# Altium PCB SVPXFMC_Carrier_6U.PcbDoc (part 2 of 3) (continued)
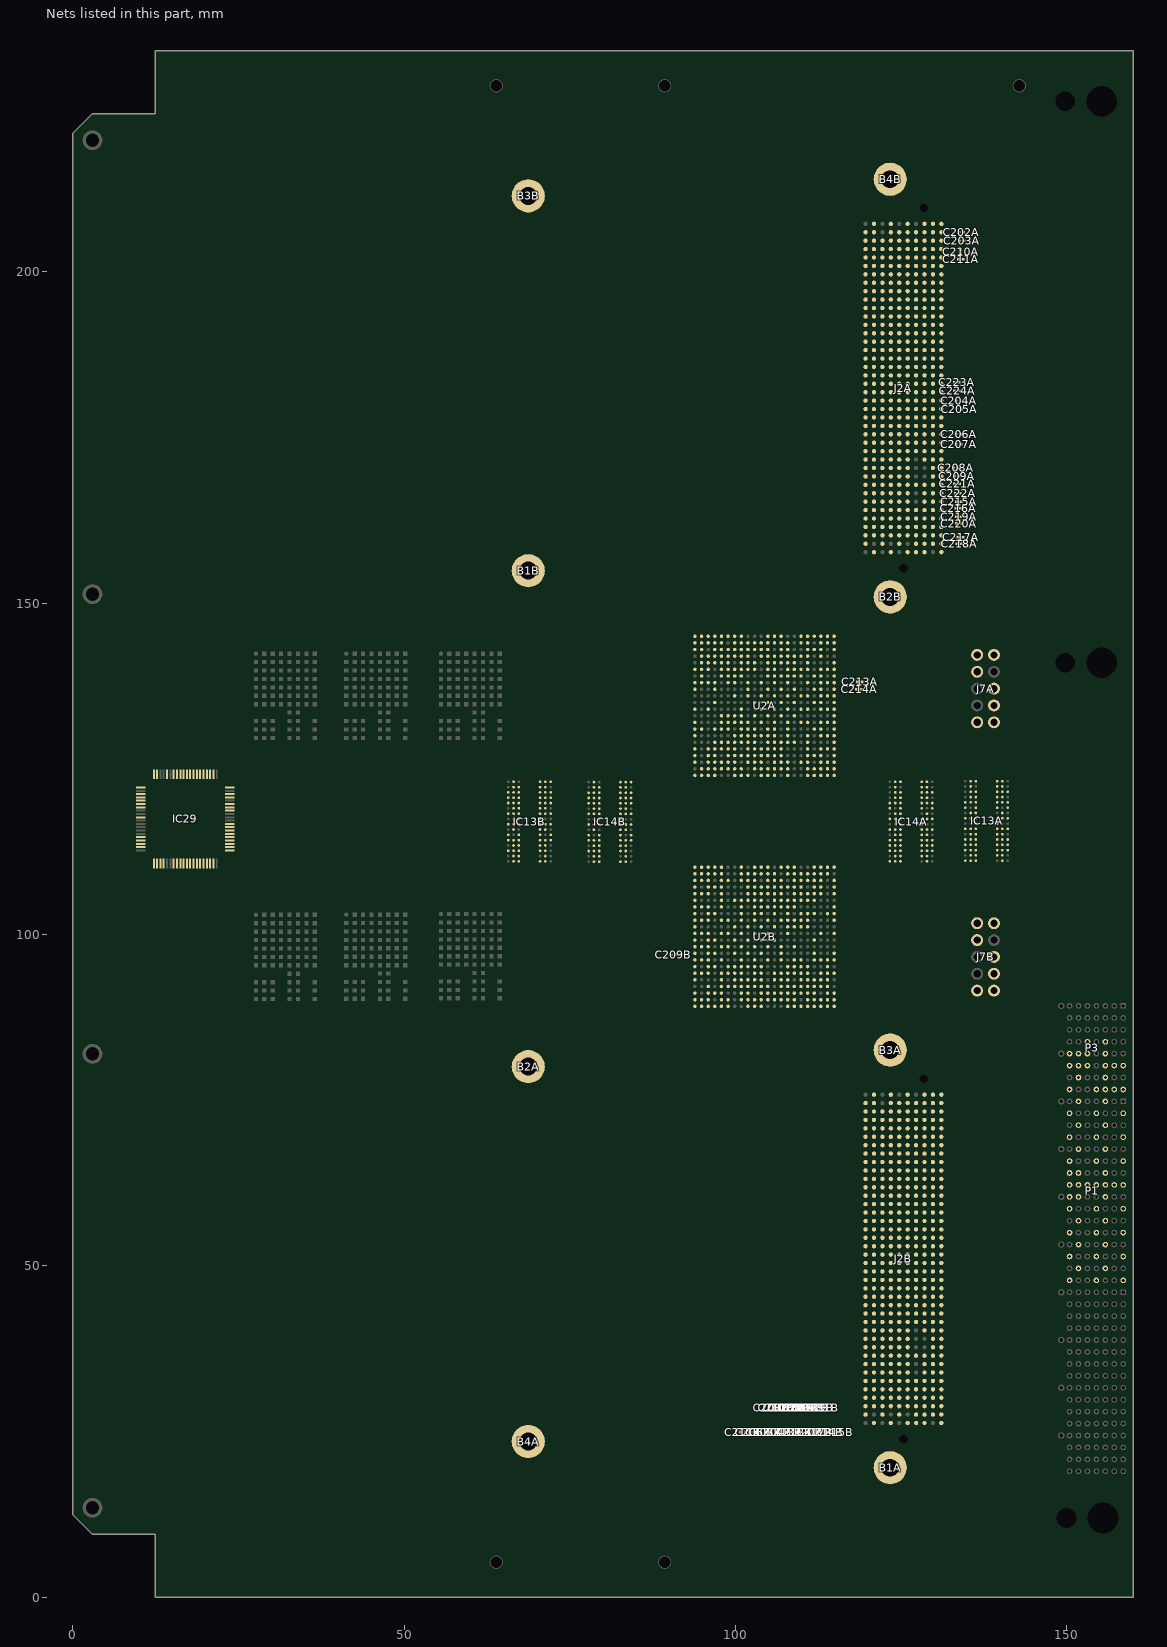
[diagram p4: the nets of this part, all layers, seen from the top]
## Nets (pads, with @x,y where several pads share a name; then routed paths per layer and width w, separated by ;. In a path a pad name is that pad's centre, name@x,y a point inside that pad or via, vN(x,y) a via of type N, cw(c..) or ccw(c..) an arc to the next point about the centre after c; other vN are vias at no path point) (continued)
DDR4_CK_CB: IC13B.K8 IC14B.K8 U2B.W1
DDR4_CK_TA: IC13A.K7 IC14A.K7 U2A.V1
DDR4_CK_TB: IC13B.K7 IC14B.K7 U2B.V1
DDR4_CKEA: IC13A.K2 IC14A.K2 U2A.W8
DDR4_CKEB: IC13B.K2 IC14B.K2 U2B.W8
DDR4_CS_BA: IC13A.L7 IC14A.L7 U2A.W7
DDR4_CS_BB: IC13B.L7 IC14B.L7 U2B.W7
DDR4_DM0A: IC13A.E7 U2A.Y9
DDR4_DM0B: IC13B.E7 U2B.Y9
DDR4_DM1A: IC13A.E2 U2A.R15
DDR4_DM1B: IC13B.E2 U2B.R15
DDR4_DM2A: IC14A.E7 U2A.AA10
DDR4_DM2B: IC14B.E7 U2B.AA10
DDR4_DM3A: IC14A.E2 U2A.AA15
DDR4_DM3B: IC14B.E2 U2B.AA15
DDR4_DQ0A: IC13A.G2 U2A.T8
DDR4_DQ0B: IC13B.G2 U2B.T8
DDR4_DQ1A: IC13A.F7 U2A.U8
DDR4_DQ1B: IC13B.F7 U2B.U8
DDR4_DQ2A: IC13A.H3 U2A.T7
DDR4_DQ2B: IC13B.H3 U2B.T7
DDR4_DQ3A: IC13A.H7 U2A.U9
DDR4_DQ3B: IC13B.H7 U2B.U9
DDR4_DQ4A: IC13A.H2 U2A.V9
DDR4_DQ4B: IC13B.H2 U2B.V9
DDR4_DQ5A: IC13A.H8 U2A.V10
DDR4_DQ5B: IC13B.H8 U2B.V10
DDR4_DQ6A: IC13A.J3 U2A.W9
DDR4_DQ6B: IC13B.J3 U2B.W9
DDR4_DQ7A: IC13A.J7 U2A.R10
DDR4_DQ7B: IC13B.J7 U2B.R10
DDR4_DQ8A: IC13A.A3 U2A.R12
DDR4_DQ8B: IC13B.A3 U2B.R12
DDR4_DQ9A: IC13A.B8 U2A.V14
DDR4_DQ9B: IC13B.B8 U2B.V14
DDR4_DQ10A: IC13A.C3 U2A.T11
DDR4_DQ10B: IC13B.C3 U2B.T11
DDR4_DQ11A: IC13A.C7 U2A.U14
DDR4_DQ11B: IC13B.C7 U2B.U14
DDR4_DQ12A: IC13A.C2 U2A.T15
DDR4_DQ12B: IC13B.C2 U2B.T15
DDR4_DQ13A: IC13A.C8 U2A.U13
DDR4_DQ13B: IC13B.C8 U2B.U13
DDR4_DQ14A: IC13A.D3 U2A.T13
DDR4_DQ14B: IC13B.D3 U2B.T13
DDR4_DQ15A: IC13A.D7 U2A.U15
DDR4_DQ15B: IC13B.D7 U2B.U15
DDR4_DQ16A: IC14A.G2 U2A.Y10
DDR4_DQ16B: IC14B.G2 U2B.Y10
DDR4_DQ17A: IC14A.F7 U2A.V11
DDR4_DQ17B: IC14B.F7 U2B.V11
DDR4_DQ18A: IC14A.H3 U2A.W11
DDR4_DQ18B: IC14B.H3 U2B.W11
DDR4_DQ19A: IC14A.H7 U2A.U12
DDR4_DQ19B: IC14B.H7 U2B.U12
DDR4_DQ20A: IC14A.H2 U2A.AA11
DDR4_DQ20B: IC14B.H2 U2B.AA11
DDR4_DQ21A: IC14A.H8 U2A.Y11
DDR4_DQ21B: IC14B.H8 U2B.Y11
DDR4_DQ22A: IC14A.J3 U2A.W12
DDR4_DQ22B: IC14B.J3 U2B.W12
DDR4_DQ23A: IC14A.J7 U2A.V12
DDR4_DQ23B: IC14B.J7 U2B.V12
DDR4_DQ24A: IC14A.A3 U2A.AA13
DDR4_DQ24B: IC14B.A3 U2B.AA13
DDR4_DQ25A: IC14A.B8 U2A.Y13
DDR4_DQ25B: IC14B.B8 U2B.Y13
DDR4_DQ26A: IC14A.C3 U2A.AB13
DDR4_DQ26B: IC14B.C3 U2B.AB13
DDR4_DQ27A: IC14A.C7 U2A.W13
DDR4_DQ27B: IC14B.C7 U2B.W13
DDR4_DQ28A: IC14A.C2 U2A.Y14
DDR4_DQ28B: IC14B.C2 U2B.Y14
DDR4_DQ29A: IC14A.C8 U2A.W14
DDR4_DQ29B: IC14B.C8 U2B.W14
DDR4_DQ30A: IC14A.D3 U2A.AB15
DDR4_DQ30B: IC14B.D3 U2B.AB15
DDR4_DQ31A: IC14A.D7 U2A.Y15
DDR4_DQ31B: IC14B.D7 U2B.Y15
DDR4_DQS0_CA: IC13A.F3 U2A.U10
DDR4_DQS0_CB: IC13B.F3 U2B.U10
DDR4_DQS0_TA: IC13A.G3 U2A.T10
DDR4_DQS0_TB: IC13B.G3 U2B.T10
DDR4_DQS1_CA: IC13A.A7 U2A.T12
DDR4_DQS1_CB: IC13B.A7 U2B.T12
DDR4_DQS1_TA: IC13A.B7 U2A.R13
DDR4_DQS1_TB: IC13B.B7 U2B.R13
DDR4_DQS2_CA: IC14A.F3 U2A.AB9
DDR4_DQS2_CB: IC14B.F3 U2B.AB9
DDR4_DQS2_TA: IC14A.G3 U2A.AB8
DDR4_DQS2_TB: IC14B.G3 U2B.AB8
DDR4_DQS3_CA: IC14A.A7 U2A.AB12
DDR4_DQS3_CB: IC14B.A7 U2B.AB12
DDR4_DQS3_TA: IC14A.B7 U2A.AA12
DDR4_DQS3_TB: IC14B.B7 U2B.AA12
DDR4_ODTA: IC13A.K3 IC14A.K3 U2A.AA7
DDR4_ODTB: IC13B.K3 IC14B.K3 U2B.AA7
DDR4_PARA: IC13A.T3 IC14A.T3 U2A.AA8
DDR4_PARB: IC13B.T3 IC14B.T3 U2B.AA8
DDR4_RESET_BA: IC13A.P1 IC14A.P1
DDR4_RESET_BB: IC13B.P1 IC14B.P1
DDR4_TENA: IC13A.N9 IC14A.N9 U2A.Y1
DDR4_TENB: IC13B.N9 IC14B.N9 U2B.Y1
DDR4_VREFAA: IC13A.M1
DDR4_VREFAB: IC13B.M1
DDR4_VREFBA: IC14A.M1
DDR4_VREFBB: IC14B.M1
DDR4_ZQBA: IC14A.F9
DDR4_ZQBB: IC14B.F9
DEVRSTA_N: U2A.H9
DEVRSTB_N: U2B.H9
DP0_C2MA_N: C203A.2 J2A.c3
DP0_C2MA_P: C202A.2 J2A.c2
DP0_C2MB_N: C203B.2 J2B.c3
DP0_C2MB_P: C202B.2 J2B.c2
DP0_M2CA_N: J2A.c7 U2A.A19
DP0_M2CA_P: J2A.c6 U2A.A20
DP0_M2CB_N: J2B.c7 U2B.A19
DP0_M2CB_P: J2B.c6 U2B.A20
DP1_C2MA_N: C205A.2 J2A.a23
DP1_C2MA_P: C204A.2 J2A.a22
DP1_C2MB_N: C205B.2 J2B.a23
DP1_C2MB_P: C204B.2 J2B.a22
DP1_M2CA_N: J2A.a3 U2A.C19
DP1_M2CA_P: J2A.a2 U2A.C20
DP1_M2CB_N: J2B.a3 U2B.C19
DP1_M2CB_P: J2B.a2 U2B.C20
DP2_C2MA_N: C207A.2 J2A.a27
DP2_C2MA_P: C206A.2 J2A.a26
DP2_C2MB_N: C207B.2 J2B.a27
DP2_C2MB_P: C206B.2 J2B.a26
DP2_M2CA_N: J2A.a7 U2A.F21
DP2_M2CA_P: J2A.a6 U2A.F22
DP2_M2CB_N: J2B.a7 U2B.F21
DP2_M2CB_P: J2B.a6 U2B.F22
DP3_C2MA_N: C209A.2 J2A.a31
DP3_C2MA_P: C208A.2 J2A.a30
DP3_C2MB_N: C209B.2 J2B.a31
DP3_C2MB_P: C208B.2 J2B.a30
DP3_M2CA_N: J2A.a11 U2A.K21
DP3_M2CA_P: J2A.a10 U2A.K22
DP3_M2CB_N: J2B.a11 U2B.K21
DP3_M2CB_P: J2B.a10 U2B.K22
DP4_C2MA_N: C216A.2 J2A.a35
DP4_C2MA_P: C215A.2 J2A.a34
DP4_C2MB_N: C216B.2 J2B.a35
DP4_C2MB_P: C215B.2 J2B.a34
DP4_M2CA_N: J2A.a15 U2A.M21
DP4_M2CA_P: J2A.a14 U2A.M22
DP4_M2CB_N: J2B.a15 U2B.M21
DP4_M2CB_P: J2B.a14 U2B.M22
DP5_C2MA_N: C218A.2 J2A.a39
DP5_C2MA_P: C217A.2 J2A.a38
DP5_C2MB_N: C218B.2 J2B.a39
DP5_C2MB_P: C217B.2 J2B.a38
DP5_M2CA_N: J2A.a19 U2A.T21
DP5_M2CA_P: J2A.a18 U2A.T22
DP5_M2CB_N: J2B.a19 U2B.T21
DP5_M2CB_P: J2B.a18 U2B.T22
DP6_C2MA_N: C220A.2 J2A.b37
DP6_C2MA_P: C219A.2 J2A.b36
DP6_C2MB_N: C220B.2 J2B.b37
DP6_C2MB_P: C219B.2 J2B.b36
DP6_M2CA_N: J2A.b17 U2A.W19
DP6_M2CA_P: J2A.b16 U2A.W20
DP6_M2CB_N: J2B.b17 U2B.W19
DP6_M2CB_P: J2B.b16 U2B.W20
DP7_C2MA_N: C222A.2 J2A.b33
DP7_C2MA_P: C221A.2 J2A.b32
DP7_C2MB_N: C222B.2 J2B.b33
DP7_C2MB_P: C221B.2 J2B.b32
DP7_M2CA_N: J2A.b13 U2A.AA19
DP7_M2CA_P: J2A.b12 U2A.AA20
DP7_M2CB_N: J2B.b13 U2B.AA19
DP7_M2CB_P: J2B.b12 U2B.AA20
DP8_C2MA_N: J2A.b29
DP8_C2MA_P: J2A.b28
DP8_C2MB_N: J2B.b29
DP8_C2MB_P: J2B.b28
DP8_M2CA_N: J2A.b9
DP8_M2CA_P: J2A.b8
DP8_M2CB_N: J2B.b9
DP8_M2CB_P: J2B.b8
DP9_C2MA_N: J2A.b25
DP9_C2MA_P: J2A.b24
DP9_C2MB_N: J2B.b25
DP9_C2MB_P: J2B.b24
DP9_M2CA_N: J2A.b5
DP9_M2CA_P: J2A.b4
DP9_M2CB_N: J2B.b5
DP9_M2CB_P: J2B.b4
ENAA: 
ENAB: 
ETH_RCVRD_CLKA: U2A.H4
ETH_RCVRD_CLKB: U2B.H4
F2_GPIO_A3A: U2A.P6
F2_GPIO_A3B: U2B.P6
F2_UART1_RXD_K15A: U2A.R8
F2_UART1_RXD_K15B: U2B.R8
F2_UART1_TXD_K14A: U2A.P9
F2_UART1_TXD_K14B: U2B.P9
FABRIC_JTAG_TRSTA: U2A.K9
FABRIC_JTAG_TRSTB: U2B.K9
FASTLINK_FAILA: U2A.H6
FASTLINK_FAILB: U2B.H6
FTDI_UART1_RXDA: U2A.R4
FTDI_UART1_RXDB: U2B.R4
FTDI_UART1_TXDA: U2A.R5
FTDI_UART1_TXDB: U2B.R5
GA0: IC29.44 P3.A6
GA1: IC29.45 P3.B6
GA2: IC29.46 P3.F6
GA3: IC29.47 P3.G6
GA4: IC29.48 P3.F5
GAP: IC29.49 P3.G5
GBTCLK0_M2CA_N: C211A.2 J2A.d5
GBTCLK0_M2CA_P: C210A.2 J2A.d4
GBTCLK0_M2CB_N: C211B.2 J2B.d5
GBTCLK0_M2CB_P: C210B.2 J2B.d4
GBTCLK1_M2CA_N: C224A.2 J2A.b21
GBTCLK1_M2CA_P: C223A.2 J2A.b20
GBTCLK1_M2CB_N: C224B.2 J2B.b21
GBTCLK1_M2CB_P: C223B.2 J2B.b20
GND: B1A.1 B1B.1 B2A.1 B2B.1 B3A.1 B3B.1 B4A.1 B4B.1 IC13A.A2 IC13A.A8 IC13A.B2 IC13A.C9 IC13A.D2 IC13A.D8 IC13A.E1 IC13A.E3 IC13A.E8 IC13A.E9 IC13A.F1 IC13A.G8 IC13A.H1 IC13A.H9 IC13A.K1 IC13A.K9 IC13A.M9 IC13A.N1 IC13A.T1 IC13B.A2 IC13B.A8 IC13B.B2 IC13B.C9 IC13B.D2 IC13B.D8 IC13B.E1 IC13B.E3 IC13B.E8 IC13B.E9 IC13B.F1 IC13B.G8 IC13B.H1 IC13B.H9 IC13B.K1 IC13B.K9 IC13B.M9 IC13B.N1 IC13B.T1 IC14A.A2 IC14A.A8 IC14A.B2 IC14A.C9 IC14A.D2 IC14A.D8 IC14A.E1 IC14A.E3 IC14A.E8 IC14A.E9 IC14A.F1 IC14A.G8 IC14A.H1 IC14A.H9 IC14A.K1 IC14A.K9 IC14A.M9 IC14A.N1 IC14A.T1 IC14B.A2 IC14B.A8 IC14B.B2 IC14B.C9 IC14B.D2 IC14B.D8 IC14B.E1 IC14B.E3 IC14B.E8 IC14B.E9 IC14B.F1 IC14B.G8 IC14B.H1 IC14B.H9 IC14B.K1 IC14B.K9 IC14B.M9 IC14B.N1 IC14B.T1 IC29.1 IC29.19 IC29.39 IC29.60 IC29.73 IC29.76 IC29.79 J2A.a1 J2A.a4 J2A.a5 J2A.a8 J2A.a9 J2A.a12 J2A.a13 J2A.a16 J2A.a17 J2A.a20 J2A.a21 J2A.a24 J2A.a25 J2A.a28 J2A.a29 J2A.a32 J2A.a33 J2A.a36 J2A.a37 J2A.a40 J2A.b2 J2A.b3 J2A.b6 J2A.b7 J2A.b10 J2A.b11 J2A.b14 J2A.b15 J2A.b18 J2A.b19 J2A.b22 J2A.b23 J2A.b26 J2A.b27 J2A.b30 J2A.b31 J2A.b34 J2A.b35 J2A.b38 J2A.b39 J2A.c1 J2A.c4 J2A.c5 J2A.c8 J2A.c9 J2A.c12 J2A.c13 J2A.c16 J2A.c17 J2A.c20 J2A.c21 J2A.c24 J2A.c25 J2A.c28 J2A.c29 J2A.c32 J2A.c33 J2A.c34 J2A.c36 J2A.c38 J2A.c40 J2A.d2 J2A.d3 J2A.d6 J2A.d7 J2A.d10 J2A.d13 J2A.d16 J2A.d19 J2A.d22 J2A.d25 J2A.d28 J2A.d35 J2A.d37 J2A.d39 J2A.e1 J2A.e4 J2A.e5 J2A.e8 J2A.e11 J2A.e14 J2A.e17 J2A.e20 J2A.e23 J2A.e26 J2A.e29 J2A.e32 J2A.e35 J2A.e38 J2A.e40 J2A.f2 J2A.f3 J2A.f6 J2A.f9 J2A.f12 J2A.f15 J2A.f18 J2A.f21 J2A.f24 J2A.f27 J2A.f30 J2A.f33 J2A.f36 J2A.f39 J2A.g1 J2A.g4 J2A.g5 J2A.g8 J2A.g11 J2A.g14 J2A.g17 J2A.g20 J2A.g23 J2A.g26 J2A.g29 J2A.g32 J2A.g35 J2A.g38 J2A.g40 J2A.h3 J2A.h6 J2A.h9 J2A.h12 J2A.h15 J2A.h18 J2A.h21 J2A.h24 J2A.h27 J2A.h30 J2A.h33 J2A.h36 J2A.h39 J2A.j1 J2A.j4 J2A.j5 J2A.j8 J2A.j11 J2A.j14 J2A.j17 J2A.j20 J2A.j23 J2A.j26 J2A.j29 J2A.j32 J2A.j35 J2A.j38 J2A.j40 J2A.k2 J2A.k3 J2A.k6 J2A.k9 J2A.k12 J2A.k15 J2A.k18 J2A.k21 J2A.k24 J2A.k27 J2A.k30 J2A.k33 J2A.k36 J2A.k39 J2B.a1 J2B.a4 J2B.a5 J2B.a8 J2B.a9 J2B.a12 J2B.a13 J2B.a16 J2B.a17 J2B.a20 J2B.a21 J2B.a24 J2B.a25 J2B.a28 J2B.a29 J2B.a32 J2B.a33 J2B.a36 J2B.a37 J2B.a40 J2B.b2 J2B.b3 J2B.b6 J2B.b7 J2B.b10 J2B.b11 J2B.b14 J2B.b15 J2B.b18 J2B.b19 J2B.b22 J2B.b23 J2B.b26 J2B.b27 J2B.b30 J2B.b31 J2B.b34 J2B.b35 J2B.b38 J2B.b39 J2B.c1 J2B.c4 J2B.c5 J2B.c8 J2B.c9 J2B.c12 J2B.c13 J2B.c16 J2B.c17 J2B.c20 J2B.c21 J2B.c24 J2B.c25 J2B.c28 J2B.c29 J2B.c32 J2B.c33 J2B.c34 J2B.c36 J2B.c38 J2B.c40 J2B.d2 J2B.d3 J2B.d6 J2B.d7 J2B.d10 J2B.d13 J2B.d16 J2B.d19 J2B.d22 J2B.d25 J2B.d28 J2B.d35 J2B.d37 J2B.d39 J2B.e1 J2B.e4 J2B.e5 J2B.e8 J2B.e11 J2B.e14 J2B.e17 J2B.e20 J2B.e23 J2B.e26 J2B.e29 J2B.e32 J2B.e35 J2B.e38 J2B.e40 J2B.f2 J2B.f3 J2B.f6 J2B.f9 J2B.f12 J2B.f15 J2B.f18 J2B.f21 J2B.f24 J2B.f27 J2B.f30 J2B.f33 J2B.f36 J2B.f39 J2B.g1 J2B.g4 J2B.g5 J2B.g8 J2B.g11 J2B.g14 J2B.g17 J2B.g20 J2B.g23 J2B.g26 J2B.g29 J2B.g32 J2B.g35 J2B.g38 J2B.g40 J2B.h3 J2B.h6 J2B.h9 J2B.h12 J2B.h15 J2B.h18 J2B.h21 J2B.h24 J2B.h27 J2B.h30 J2B.h33 J2B.h36 J2B.h39 J2B.j1 J2B.j4 J2B.j5 J2B.j8 J2B.j11 J2B.j14 J2B.j17 J2B.j20 J2B.j23 J2B.j26 J2B.j29 J2B.j32 J2B.j35 J2B.j38 J2B.j40 J2B.k2 J2B.k3 J2B.k6 J2B.k9 J2B.k12 J2B.k15 J2B.k18 J2B.k21 J2B.k24 J2B.k27 J2B.k30 J2B.k33 J2B.k36 J2B.k39 J7A.2 J7A.10 J7B.2 J7B.10 P1.A2 P1.A4 P1.A6 P1.A8 P1.A10 P1.A12 P1.A14 P1.A16 P1.C1 P1.C3 P1.C5 P1.C7 P1.C9 P1.C11 P1.C13 P1.C15 P1.D2 P1.D4 P1.D6 P1.D8 P1.D10 P1.D12 P1.D14 P1.D16 P1.F1 P1.F3 P1.F5 P1.F7 P1.F9 P1.F11 P1.F13 P1.F15 P1.G2 P1.G4 P1.G6 P1.G8 P1.G10 P1.G12 P1.G14 P1.G16 P3.A8 P3.C4 P3.C5 P3.C6 P3.C7 P3.D8 P3.E4 P3.E5 P3.E6 P3.F7 P3.G8 U2A.A1 U2A.A4 U2A.A14 U2A.A18 U2A.A21 U2A.A22 U2A.AA4 U2A.AA14 U2A.AA18 U2A.AA21 U2A.AA22 U2A.AB1 U2A.AB11 U2A.AB18 U2A.AB19 U2A.AB20 U2A.B11 U2A.B18 U2A.B20 U2A.C8 U2A.C18 U2A.C22 U2A.D5 U2A.D15 U2A.D18 U2A.D20 U2A.E2 U2A.E12 U2A.E18 U2A.E22 U2A.F9 U2A.F18 U2A.F20 U2A.G6 U2A.G16 U2A.G22 U2A.H3 U2A.H18 U2A.H20 U2A.J12 U2A.J14 U2A.J16 U2A.J22 U2A.K7 U2A.K11 U2A.K13 U2A.K15 U2A.K17 U2A.K18 U2A.K20 U2A.L4 U2A.L10 U2A.L12 U2A.L14 U2A.L16 U2A.L22 U2A.M1 U2A.M11 U2A.M13 U2A.M15 U2A.M17 U2A.M18 U2A.M20 U2A.N10 U2A.N12 U2A.N14 U2A.N16 U2A.N22 U2A.P5 U2A.P11 U2A.P13 U2A.P15 U2A.P17 U2A.P18 U2A.P20 U2A.R2 U2A.R22 U2A.T9 U2A.T18 U2A.T20 U2A.U6 U2A.U16 U2A.U18 U2A.U22 U2A.V3 U2A.V13 U2A.V18 U2A.V20 U2A.W10 U2A.W18 U2A.W22 U2A.Y7 U2A.Y17 U2A.Y18 U2A.Y20 U2B.A1 U2B.A4 U2B.A14 U2B.A18 U2B.A21 U2B.A22 U2B.AA4 U2B.AA14 U2B.AA18 U2B.AA21 U2B.AA22 U2B.AB1 U2B.AB11 U2B.AB18 U2B.AB19 U2B.AB20 U2B.B11 U2B.B18 U2B.B20 U2B.C8 U2B.C18 U2B.C22 U2B.D5 U2B.D15 U2B.D18 U2B.D20 U2B.E2 U2B.E12 U2B.E18 U2B.E22 U2B.F9 U2B.F18 U2B.F20 U2B.G6 U2B.G16 U2B.G22 U2B.H3 U2B.H18 U2B.H20 U2B.J12 U2B.J14 U2B.J16 U2B.J22 U2B.K7 U2B.K11 U2B.K13 U2B.K15 U2B.K17 U2B.K18 U2B.K20 U2B.L4 U2B.L10 U2B.L12 U2B.L14 U2B.L16 U2B.L22 U2B.M1 U2B.M11 U2B.M13 U2B.M15 U2B.M17 U2B.M18 U2B.M20 U2B.N10 U2B.N12 U2B.N14 U2B.N16 U2B.N22 U2B.P5 U2B.P11 U2B.P13 U2B.P15 U2B.P17 U2B.P18 U2B.P20 U2B.R2 U2B.R22 U2B.T9 U2B.T18 U2B.T20 U2B.U6 U2B.U16 U2B.U18 U2B.U22 U2B.V3 U2B.V13 U2B.V18 U2B.V20 U2B.W10 U2B.W18 U2B.W22 U2B.Y7 U2B.Y17 U2B.Y18 U2B.Y20
GPIO_A1: IC29.41
GPIO_A2: IC29.42
GPIO_A3: IC29.43
GPIO_A4: IC29.63
GPIO_B1: IC29.64
GPIO_B2: IC29.35
GPIO_B3: IC29.36
GPIO_B4: IC29.62
GPIO_S1A: 
GPIO_S1B: 
GPIO_S2A: 
GPIO_S2B: 
GPIO_S3A: 
GPIO_S3B: 
GPIO_S4A: 
GPIO_S4B: 
HA00_CCA_N: J2A.f5
HA00_CCA_P: J2A.f4
HA00_CCB_N: J2B.f5
HA00_CCB_P: J2B.f4
HA01_CCA_N: J2A.e3
HA01_CCA_P: J2A.e2
HA01_CCB_N: J2B.e3
HA01_CCB_P: J2B.e2
HA02A_N: J2A.k8
HA02A_P: J2A.k7
HA02B_N: J2B.k8
HA02B_P: J2B.k7
HA03A_N: J2A.j7
HA03A_P: J2A.j6
HA03B_N: J2B.j7
HA03B_P: J2B.j6
HA04A_N: J2A.f8
HA04A_P: J2A.f7
HA04B_N: J2B.f8
HA04B_P: J2B.f7
HA05A_N: J2A.e7
HA05A_P: J2A.e6
HA05B_N: J2B.e7
HA05B_P: J2B.e6
HA06A_N: J2A.k11
HA06A_P: J2A.k10
HA06B_N: J2B.k11
HA06B_P: J2B.k10
HA07A_N: J2A.j10
HA07A_P: J2A.j9
HA07B_N: J2B.j10
HA07B_P: J2B.j9
HA08A_N: J2A.f11
HA08A_P: J2A.f10
HA08B_N: J2B.f11
HA08B_P: J2B.f10
HA09A_N: J2A.e10
HA09A_P: J2A.e9
HA09B_N: J2B.e10
HA09B_P: J2B.e9
HA10A_N: J2A.k14
HA10A_P: J2A.k13
HA10B_N: J2B.k14
HA10B_P: J2B.k13
HA11A_N: J2A.j13
HA11A_P: J2A.j12
HA11B_N: J2B.j13
HA11B_P: J2B.j12
HA12A_N: J2A.f14
HA12A_P: J2A.f13
HA12B_N: J2B.f14
HA12B_P: J2B.f13
HA13A_N: J2A.e13
HA13A_P: J2A.e12
HA13B_N: J2B.e13
HA13B_P: J2B.e12
HA14A_N: J2A.j16
HA14A_P: J2A.j15
HA14B_N: J2B.j16
HA14B_P: J2B.j15
HA15A_N: J2A.f17
HA15A_P: J2A.f16
HA15B_N: J2B.f17
HA15B_P: J2B.f16
HA16A_N: J2A.e16
HA16A_P: J2A.e15
HA16B_N: J2B.e16
HA16B_P: J2B.e15
HA17_CCA_N: J2A.k17
HA17_CCA_P: J2A.k16
HA17_CCB_N: J2B.k17
HA17_CCB_P: J2B.k16
HA18A_N: J2A.j19
HA18A_P: J2A.j18
HA18B_N: J2B.j19
HA18B_P: J2B.j18
HA19A_N: J2A.f20
HA19A_P: J2A.f19
HA19B_N: J2B.f20
HA19B_P: J2B.f19
HA20A_N: J2A.e19
HA20A_P: J2A.e18
HA20B_N: J2B.e19
HA20B_P: J2B.e18
HA21A_N: J2A.k20
HA21A_P: J2A.k19
HA21B_N: J2B.k20
HA21B_P: J2B.k19
HA22A_N: J2A.j22
HA22A_P: J2A.j21
HA22B_N: J2B.j22
HA22B_P: J2B.j21
HA23A_N: J2A.k23
HA23A_P: J2A.k22
HA23B_N: J2B.k23
HA23B_P: J2B.k22
HB00_CCA_N: J2A.k26
HB00_CCA_P: J2A.k25
HB00_CCB_N: J2B.k26
HB00_CCB_P: J2B.k25
HB01A_N: J2A.j25
HB01A_P: J2A.j24
HB01B_N: J2B.j25
HB01B_P: J2B.j24
HB02A_N: J2A.f23
HB02A_P: J2A.f22
HB02B_N: J2B.f23
HB02B_P: J2B.f22
HB03A_N: J2A.e22
HB03A_P: J2A.e21
HB03B_N: J2B.e22
HB03B_P: J2B.e21
HB04A_N: J2A.f26
HB04A_P: J2A.f25
HB04B_N: J2B.f26
HB04B_P: J2B.f25
HB05A_N: J2A.e25
HB05A_P: J2A.e24
HB05B_N: J2B.e25
HB05B_P: J2B.e24
HB06_CCA_N: J2A.k29
HB06_CCA_P: J2A.k28
HB06_CCB_N: J2B.k29
HB06_CCB_P: J2B.k28
HB07A_N: J2A.j28
HB07A_P: J2A.j27
HB07B_N: J2B.j28
HB07B_P: J2B.j27
HB08A_N: J2A.f29
HB08A_P: J2A.f28
HB08B_N: J2B.f29
HB08B_P: J2B.f28
HB09A_N: J2A.e28
HB09A_P: J2A.e27
HB09B_N: J2B.e28
HB09B_P: J2B.e27
HB10A_N: J2A.k32
HB10A_P: J2A.k31
HB10B_N: J2B.k32
HB10B_P: J2B.k31
HB11A_N: J2A.j31
HB11A_P: J2A.j30
HB11B_N: J2B.j31
HB11B_P: J2B.j30
HB12A_N: J2A.f32
HB12A_P: J2A.f31
HB12B_N: J2B.f32
HB12B_P: J2B.f31
HB13A_N: J2A.e31
HB13A_P: J2A.e30
HB13B_N: J2B.e31
HB13B_P: J2B.e30
HB14A_N: J2A.k35
HB14A_P: J2A.k34
HB14B_N: J2B.k35
HB14B_P: J2B.k34
HB15A_N: J2A.j34
HB15A_P: J2A.j33
HB15B_N: J2B.j34
HB15B_P: J2B.j33
HB16A_N: J2A.f35
HB16A_P: J2A.f34
HB16B_N: J2B.f35
HB16B_P: J2B.f34
HB17_CCA_N: J2A.k38
HB17_CCA_P: J2A.k37
HB17_CCB_N: J2B.k38
HB17_CCB_P: J2B.k37
HB18A_N: J2A.j37
HB18A_P: J2A.j36
HB18B_N: J2B.j37
HB18B_P: J2B.j36
HB19A_N: J2A.e34
HB19A_P: J2A.e33
HB19B_N: J2B.e34
HB19B_P: J2B.e33
HB20A_N: J2A.f38
HB20A_P: J2A.f37
HB20B_N: J2B.f38
HB20B_P: J2B.f37
HB21A_N: J2A.e37
HB21A_P: J2A.e36
HB21B_N: J2B.e37
HB21B_P: J2B.e36
JTAG_TCKA: J7A.1 U2A.F8
JTAG_TCKB: J7B.1 U2B.F8
JTAG_TDIA: J7A.9 U2A.G8
JTAG_TDIB: J7B.9 U2B.G8
JTAG_TDOA: J7A.3
JTAG_TDOB: J7B.3
JTAG_TMSA: J7A.5 U2A.F7
JTAG_TMSB: J7B.5 U2B.F7
JTAG_TRSTA: J7A.8 U2A.G7
JTAG_TRSTB: J7B.8 U2B.G7
LA00_CCA_N: J2A.g7 U2A.B17
LA00_CCA_P: J2A.g6 U2A.A17
LA00_CCB_N: J2B.g7 U2B.B17
LA00_CCB_P: J2B.g6 U2B.A17
LA01_CCA_N: J2A.d9 U2A.F17
LA01_CCA_P: J2A.d8 U2A.G17
LA01_CCB_N: J2B.d9 U2B.F17
LA01_CCB_P: J2B.d8 U2B.G17
LA02A_N: J2A.h8 U2A.B13
LA02A_P: J2A.h7 U2A.B12
LA02B_N: J2B.h8 U2B.B13
LA02B_P: J2B.h7 U2B.B12
LA03A_N: J2A.g10 U2A.A13
LA03A_P: J2A.g9 U2A.A12
LA03B_N: J2B.g10 U2B.A13
LA03B_P: J2B.g9 U2B.A12
LA04A_N: J2A.h11 U2A.F16
LA04A_P: J2A.h10 U2A.F15
LA04B_N: J2B.h11 U2B.F16
LA04B_P: J2B.h10 U2B.F15
LA05A_N: J2A.d12 U2A.D17
LA05A_P: J2A.d11 U2A.D16
LA05B_N: J2B.d12 U2B.D17
LA05B_P: J2B.d11 U2B.D16
LA06A_N: J2A.c11 U2A.B10
LA06A_P: J2A.c10 U2A.B9
LA06B_N: J2B.c11 U2B.B10
LA06B_P: J2B.c10 U2B.B9
LA07A_N: J2A.h14 U2A.G15
LA07A_P: J2A.h13 U2A.H15
LA07B_N: J2B.h14 U2B.G15
LA07B_P: J2B.h13 U2B.H15
LA08A_N: J2A.g13 U2A.C12
LA08A_P: J2A.g12 U2A.C11
LA08B_N: J2B.g13 U2B.C12
LA08B_P: J2B.g12 U2B.C11
LA09A_N: J2A.d15 U2A.A8
LA09A_P: J2A.d14 U2A.B8
LA09B_N: J2B.d15 U2B.A8
LA09B_P: J2B.d14 U2B.B8
LA10A_N: J2A.c15 U2A.A7
LA10A_P: J2A.c14 U2A.A6
LA10B_N: J2B.c15 U2B.A7
LA10B_P: J2B.c14 U2B.A6
LA11A_N: J2A.h17 U2A.B3
LA11A_P: J2A.h16 U2A.B2
LA11B_N: J2B.h17 U2B.B3
LA11B_P: J2B.h16 U2B.B2
LA12A_N: J2A.g16 U2A.B5
LA12A_P: J2A.g15 U2A.C5
LA12B_N: J2B.g16 U2B.B5
LA12B_P: J2B.g15 U2B.C5
LA13A_N: J2A.d18 U2A.F12
LA13A_P: J2A.d17 U2A.F13
LA13B_N: J2B.d18 U2B.F12
LA13B_P: J2B.d17 U2B.F13
LA14A_N: J2A.c19 U2A.A3
LA14A_P: J2A.c18 U2A.A2
LA14B_N: J2B.c19 U2B.A3
LA14B_P: J2B.c18 U2B.A2
LA15A_N: J2A.h20 U2A.E14
LA15A_P: J2A.h19 U2A.D14
LA15B_N: J2B.h20 U2B.E14
LA15B_P: J2B.h19 U2B.D14
LA16A_N: J2A.g19 U2A.C15
LA16A_P: J2A.g18 U2A.C14
LA16B_N: J2B.g19 U2B.C15
LA16B_P: J2B.g18 U2B.C14
LA17_CCA_N: J2A.d21 U2A.E16
LA17_CCA_P: J2A.d20 U2A.E15
LA17_CCB_N: J2B.d21 U2B.E16
LA17_CCB_P: J2B.d20 U2B.E15
LA18_CCA_N: J2A.c23 U2A.C2
LA18_CCA_P: J2A.c22 U2A.D2
LA18_CCB_N: J2B.c23 U2B.C2
LA18_CCB_P: J2B.c22 U2B.D2
LA19A_N: J2A.h23 U2A.G13
LA19A_P: J2A.h22 U2A.G12
LA19B_N: J2B.h23 U2B.G13
LA19B_P: J2B.h22 U2B.G12
LA20A_N: J2A.g22 U2A.D12
LA20A_P: J2A.g21 U2A.D11
LA20B_N: J2B.g22 U2B.D12
LA20B_P: J2B.g21 U2B.D11
LA21A_N: J2A.h26 U2A.E10
LA21A_P: J2A.h25 U2A.F10
LA21B_N: J2B.h26 U2B.E10
LA21B_P: J2B.h25 U2B.F10
LA22A_N: J2A.g25 U2A.C10
LA22A_P: J2A.g24 U2A.C9
LA22B_N: J2B.g25 U2B.C10
LA22B_P: J2B.g24 U2B.C9
LA23A_N: J2A.d24 U2A.B1
LA23A_P: J2A.d23 U2A.C1
LA23B_N: J2B.d24 U2B.B1
LA23B_P: J2B.d23 U2B.C1
LA24A_N: J2A.h29 U2A.E4
LA24A_P: J2A.h28 U2A.F3
LA24B_N: J2B.h29 U2B.E4
LA24B_P: J2B.h28 U2B.F3
LA25A_N: J2A.g28 U2A.D9
LA25A_P: J2A.g27 U2A.E9
LA25B_N: J2B.g28 U2B.D9
LA25B_P: J2B.g27 U2B.E9
LA26A_N: J2A.d27 U2A.E5
LA26A_P: J2A.d26 U2A.F5
LA26B_N: J2B.d27 U2B.E5
LA26B_P: J2B.d26 U2B.F5
LA27A_N: J2A.c27 U2A.H13
LA27A_P: J2A.c26 U2A.G14
LA27B_N: J2B.c27 U2B.H13
LA27B_P: J2B.c26 U2B.G14
LA28A_N: J2A.h32 U2A.D3
LA28A_P: J2A.h31 U2A.E3
LA28B_N: J2B.h32 U2B.D3
LA28B_P: J2B.h31 U2B.E3
LA29A_N: J2A.g31 U2A.D8
LA29A_P: J2A.g30 U2A.E8
LA29B_N: J2B.g31 U2B.D8
LA29B_P: J2B.g30 U2B.E8
LA30A_N: J2A.h35 U2A.D6
LA30A_P: J2A.h34 U2A.E6
LA30B_N: J2B.h35 U2B.D6
LA30B_P: J2B.h34 U2B.E6
LA31A_N: J2A.g34 U2A.B7
LA31A_P: J2A.g33 U2A.C6
LA31B_N: J2B.g34 U2B.B7
LA31B_P: J2B.g33 U2B.C6
LA32A_N: J2A.h38 U2A.C4
LA32A_P: J2A.h37 U2A.D4
LA32B_N: J2B.h38 U2B.C4
LA32B_P: J2B.h37 U2B.D4
LA33A_N: J2A.g37 U2A.A5
LA33A_P: J2A.g36 U2A.B4
LA33B_N: J2B.g37 U2B.A5
LA33B_P: J2B.g36 U2B.B4
Live_IO_FRM_PFA: U2A.R6
Live_IO_FRM_PFB: U2B.R6
MCU_R\S\T\: 
MCU_TCK: 
MCU_TDI: 
MCU_TDO: 
MCU_TEST: 
MCU_TMS: 
MDCA: U2A.R1
MDCB: U2B.R1
MDINTA: U2A.P1
MDINTB: U2B.P1
MDIOA: U2A.T1
MDIOB: U2B.T1
MIC_ADJA: 
MIC_ADJB: 
MIC_OUTA: 
MIC_OUTB: 
MIC_SHUTDOWNA: 
MIC_SHUTDOWNB: 
MIC_VIN: 
NetC5A_1: 
NetC5A_2: 
NetC5B_1: 
NetC5B_2: 
NetC22A_2: 
NetC22B_2: 
NetC23A_2: 
NetC23B_2: 
NetC24A_2: 
NetC24B_2: 
NetC25A_2: 
NetC25B_2: 
NetC26A_2: 
NetC26B_2: 
NetC37A_2: 
NetC37B_2: 
NetC94A_2: 
NetC94B_2: 
NetC95A_1: 
NetC95B_1: 
NetC195_2: 
NetC202A_1: C202A.1 U2A.B22
NetC202B_1: C202B.1 U2B.B22
NetC203A_1: C203A.1 U2A.B21
NetC203B_1: C203B.1 U2B.B21
NetC206A_1: C206A.1 U2A.L20
NetC206B_1: C206B.1 U2B.L20
NetC207A_1: C207A.1 U2A.L19
NetC207B_1: C207B.1 U2B.L19
NetC208A_1: C208A.1 U2A.H22
NetC208B_1: C208B.1 U2B.H22
NetC209A_1: C209A.1 U2A.H21
NetC209B_1: C209B.1 U2B.H21
NetC210A_1: C210A.1 U2A.G19
NetC210B_1: C210B.1 U2B.G19
NetC211A_1: C211A.1 U2A.G20
NetC211B_1: C211B.1 U2B.G20
NetC213A_1: C213A.1 U2A.J19
NetC213B_1: C213B.1 U2B.J19
NetC214A_1: C214A.1 U2A.J20
NetC214B_1: C214B.1 U2B.J20
NetC215A_1: C215A.1 U2A.P22
NetC215B_1: C215B.1 U2B.P22
NetC216A_1: C216A.1 U2A.P21
NetC216B_1: C216B.1 U2B.P21
NetC217A_1: C217A.1 U2A.V22
NetC217B_1: C217B.1 U2B.V22
NetC218A_1: C218A.1 U2A.V21
NetC218B_1: C218B.1 U2B.V21
NetC219A_1: C219A.1 U2A.Y22
NetC219B_1: C219B.1 U2B.Y22
NetC220A_1: C220A.1 U2A.Y21
NetC220B_1: C220B.1 U2B.Y21
NetC221A_1: C221A.1 U2A.AB22
NetC221B_1: C221B.1 U2B.AB22
NetC222A_1: C222A.1 U2A.AB21
NetC222B_1: C222B.1 U2B.AB21
NetC223A_1: C223A.1 U2A.R19
NetC223B_1: C223B.1 U2B.R19
NetC224A_1: C224A.1 U2A.R20
NetC224B_1: C224B.1 U2B.R20
NetC243_2: IC29.38
NetC250_2: IC29.80
NetD3_2: 
NetD4_2: 
NetD5_2: IC29.55
NetD6_1: 
NetD6_2: 
NetD7_1: 
NetD7_2: 
NetD8_1: 
NetD9_1: 
NetD10_1: IC29.53
NetD11_1: IC29.54
NetIC1A_1: 
NetIC1A_3: 
NetIC1A_4: 
NetIC1A_5: 
NetIC1A_6: 
NetIC1A_7: 
NetIC1A_8: 
NetIC1A_9: 
NetIC1A_10: 
NetIC1A_12: U2A.M3
NetIC1B_1: 
NetIC1B_3: 
NetIC1B_4: 
NetIC1B_5: 
NetIC1B_6: 
NetIC1B_7: 
NetIC1B_8: 
NetIC1B_9: 
NetIC1B_10: 
NetIC1B_12: U2B.M3
NetIC2A_1: 
NetIC2A_4: 
NetIC2B_1: 
NetIC2B_4: 
NetIC4A_4: 
NetIC4B_4: 
NetIC5A_2: 
NetIC5B_2: 
NetIC6A_2: 
NetIC6B_2: 
NetIC7A_2: 
NetIC7B_2: 
NetIC8A_2: 
NetIC8B_2: 
NetIC9A_2: 
NetIC9B_2: 
NetIC13A_F9: IC13A.F9
NetIC13B_F9: IC13B.F9
NetIC15A_9: 
NetIC15B_9: 
NetIC16A_1: 
NetIC16A_3: 
NetIC16A_8: 
NetIC16A_9: 
NetIC16B_1: 
NetIC16B_3: 
NetIC16B_8: 
NetIC16B_9: 
NetIC18A_2: IC29.65
NetIC18A_4: 
NetIC18B_2: IC29.69
NetIC18B_4: 
NetIC19A_2: IC29.67
NetIC19A_4: 
NetIC19B_2: IC29.71
NetIC19B_4: 
NetIC20A_2: IC29.68
NetIC20A_4: 
NetIC20B_2: IC29.72
NetIC20B_4: 
NetIC22A_3: 
NetIC22B_3: 
NetIC23A_2: 
NetIC23B_2: 
NetIC26_1: IC29.10
NetIC26_3: IC29.74
NetIC28A_2: 
NetIC28B_2: 
NetIC29_21: IC29.21
NetIC29_22: IC29.22
NetIC29_23: IC29.23
NetIC29_24: IC29.24
NetIC29_37: IC29.37
NetIC29_57: IC29.57
NetIC29_58: IC29.58
NetIC29_66: IC29.66
NetIC29_70: IC29.70
NetNT1A_1: 
NetNT1B_1: 
NetNT2A_1: 
NetNT2B_1: 
NetR72_2: 
NetR73A_2: U2A.H11
NetR73B_2: U2B.H11
NetR77A_2: U2A.F6
NetR77B_2: U2B.F6
NetR78A_2: U2A.G5
NetR78B_2: U2B.G5
NetR87A_1: U2A.H2
NetR87B_1: U2B.H2
NetR88A_1: U2A.H1
NetR88B_1: U2B.H1
NetR89A_1: U2A.J1
NetR89B_1: U2B.J1
NetR90A_1: U2A.F2
NetR90B_1: U2B.F2
NetR91A_1: U2A.F1
NetR91B_1: U2B.F1
NetR92A_1: U2A.G2
NetR92B_1: U2B.G2
NetR93A_2: U2A.H7
NetR93B_2: U2B.H7
NetR94_2: 
NetR95A_2: U2A.R9